# KiCad board poly_kb_molecule_8x5.kicad_pcb (continued)
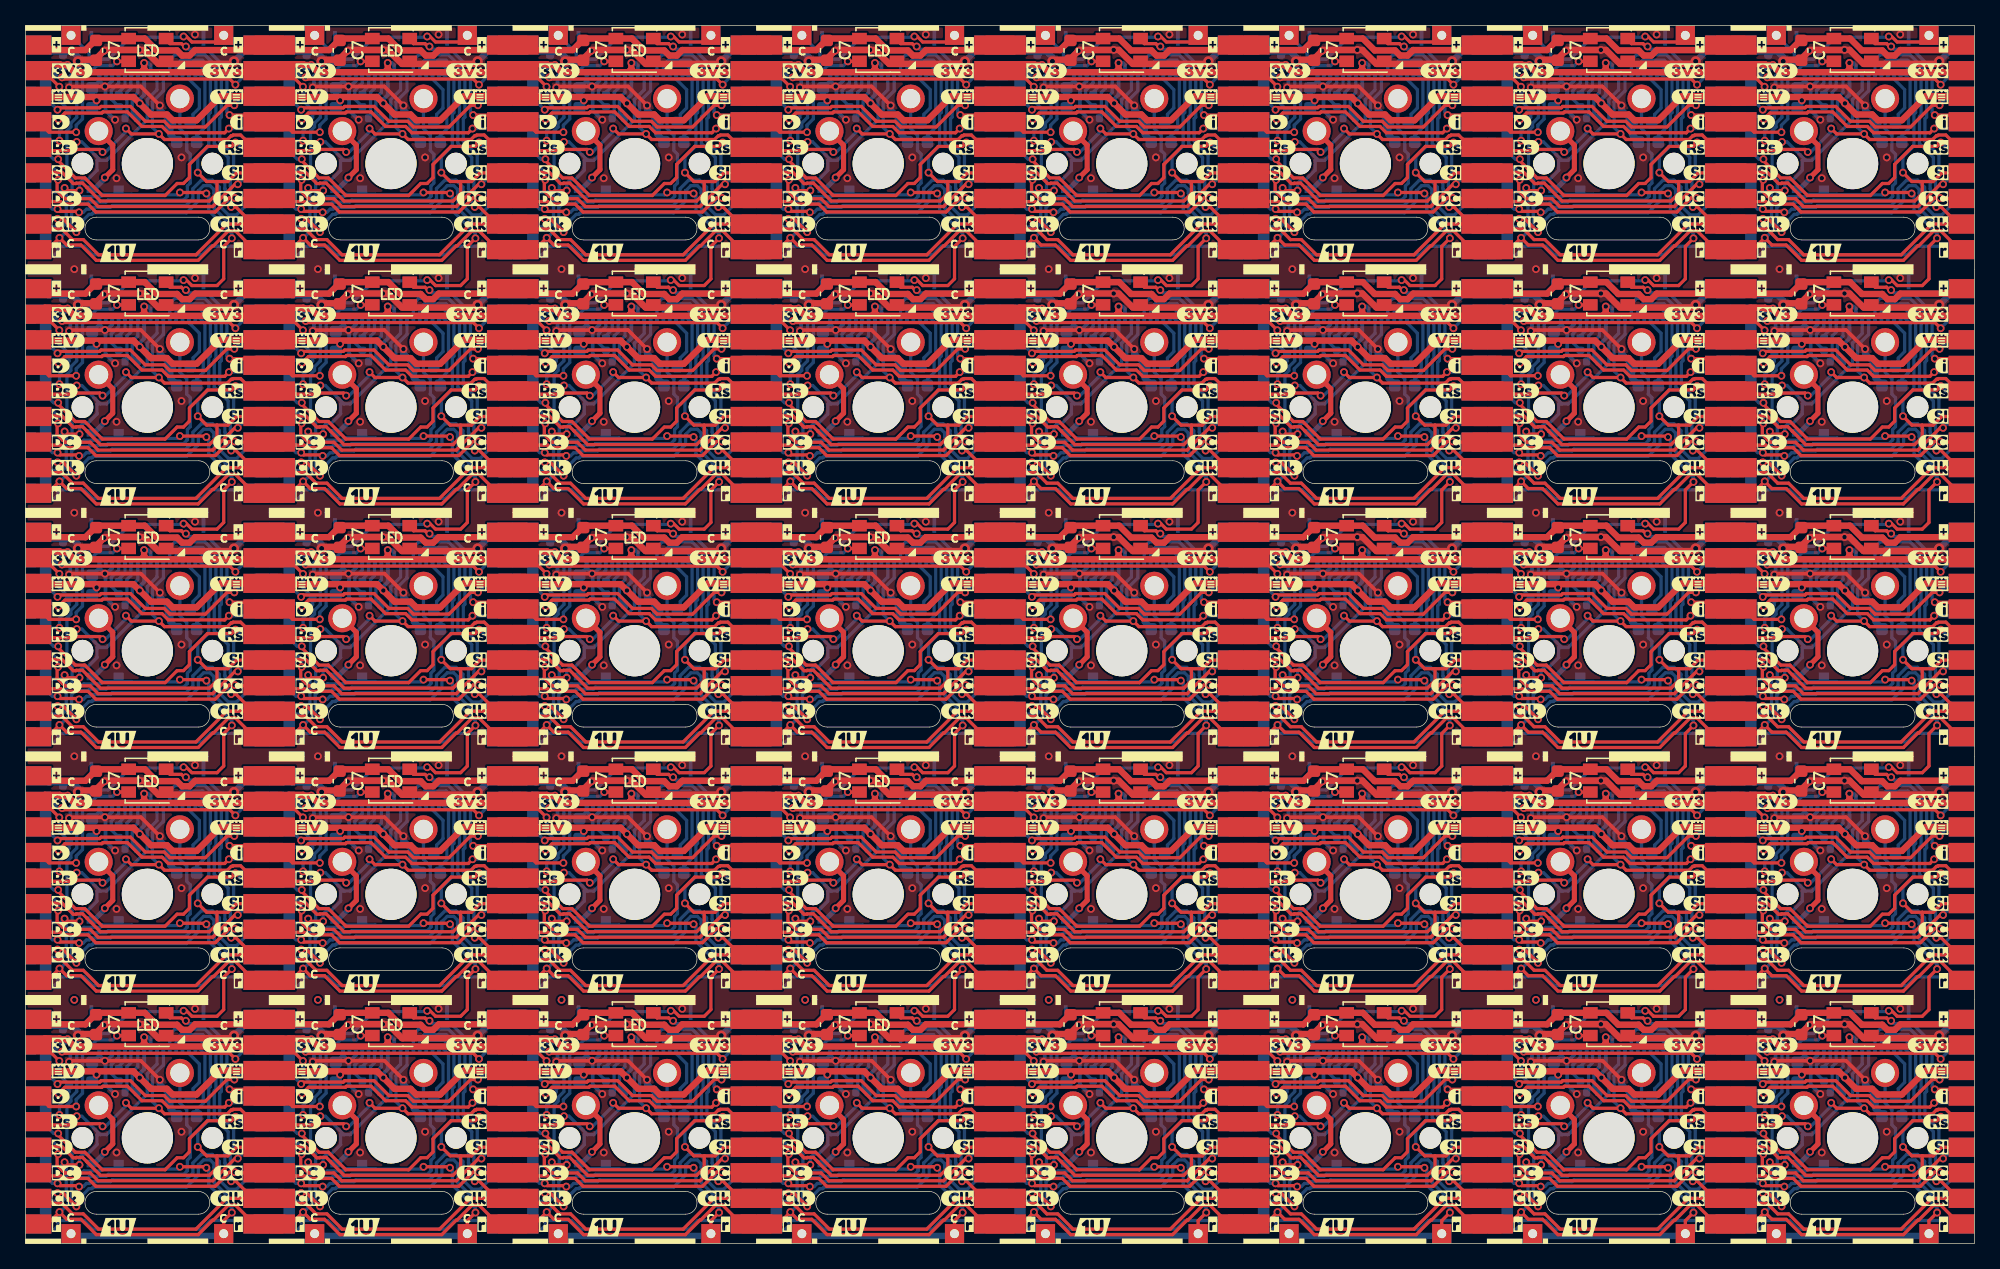
[diagram p0: board, top side]
## Routing (per net, layer and track width the routed paths; a pad name or vN(x,y) marks a point on that pad's centre or on a via; arc(x,y) is an arc through that point) (continued)
  Top w1.5: J4#30.9 J3#37.9 ; J4#36.9 J3#16.9 ; J4#9.9 J3#25.9 ; J4#29.9 J3#7.9 ; J4#24.9 J3#26.9 ; J4#3.9 J3#23.9 ; J4#26.9 J3#40.9 ; J4#2.9 J3#6.9 ; J4#16.9 J3#31.9 ; J4#8.9 J3#2.9 ; J4#14.9 J3#8.9 ; J4#25.9 J3#21.9 ; J4#10.9 J3#20.9 ; J4#19.9 J3#32.9 ; J4#12.9 J3#34.9 ; J4#4.9 J3#24.9 ; J4#11.9 J3#3.9 ; J4#5.9 J3#13.9 ; J4#37.9 J3#27.9 ; J4#34.9 J3#30.9 ; J4#13.9 J3#35.9 ; J4#21.9 J3#5.9 ; J4#17.9 J3#36.9 ; J4#23.9 J3#12.9 ; J4#33.9 J3#28.9 ; J4#40.9 J3#38.9 ; J4#28.9 J3#22.9 ; J4#22.9 J3#10.9 ; J4#27.9 J3#11.9 ; J4#35.9 J3#14.9 ; J4#15.9 J3#18.9 ; J4#18.9 J3#4.9 ; J4#6.9 J3#33.9 ; J4#38.9 J3#39.9 ; J4.9 J3#19.9
  Bottom w0.254: v1(116.95,21.5) 117,21.5 117.9,22.4 117.9,22.4 117.9,23.87 118.22,24.19 118.69,24.19 118.69,24.19 118.91,24.19 118.91,24.2 119.1,24.2 ; v1(59.8,21.5) 59.85,21.5 60.75,22.4 60.75,22.4 60.75,23.87 61.07,24.19 61.54,24.19 61.54,24.19 61.76,24.19 61.76,24.2 61.95,24.2 ; 138.15,43.25 138.15,43.25 ; 138.15,43.25 137.96,43.25 137.96,43.24 137.74,43.24 137.74,43.24 137.27,43.24 136.95,42.92 136.95,41.45 136.95,41.45 136.05,40.55 v1(136,40.55) ; 138.15,43.25 138.25,43.25 138.35,43.35 139.65,43.35 139.81,43.51 145.72,43.51 146,43.79 146,43.83 146,43.83 146,43.85 146,43.85 146,44.61 146.23,44.83 146.23,47.09 145.95,47.37 145.95,48.56 145.41,49.09 SW1#28.1 ; 100.05,5.15 100.15,5.15 100.25,5.25 101.55,5.25 101.71,5.41 107.62,5.41 107.9,5.69 107.9,5.73 107.9,5.73 107.9,5.75 107.9,5.75 107.9,6.51 108.13,6.73 108.13,8.99 107.85,9.27 107.85,10.46 107.31,10.99 SW1#3.1 ; 100.05,5.15 99.86,5.15 99.86,5.14 99.64,5.14 99.64,5.14 99.17,5.14 98.85,4.82 98.85,3.35 98.85,3.35 97.95,2.45 v1(97.9,2.45) ; 100.05,5.15 100.05,5.15 ; 4.8,24.2 4.9,24.2 5,24.3 6.3,24.3 6.46,24.46 12.37,24.46 12.65,24.74 12.65,24.78 12.65,24.78 12.65,24.8 12.65,24.8 12.65,25.56 12.88,25.78 12.88,28.04 12.6,28.32 12.6,29.51 12.06,30.04 SW1#15.1 ; 4.8,24.2 4.8,24.2 ; 4.8,24.2 4.61,24.2 4.61,24.19 4.39,24.19 4.39,24.19 3.92,24.19 3.6,23.87 3.6,22.4 3.6,22.4 2.7,21.5 v1(2.65,21.5) ; 4.8,5.15 4.8,5.15 ; 4.8,5.15 4.61,5.15 4.61,5.14 4.39,5.14 4.39,5.14 3.92,5.14 3.6,4.82 3.6,3.35 3.6,3.35 2.7,2.45 v1(2.65,2.45) ; 4.8,5.15 4.9,5.15 5,5.25 6.3,5.25 6.46,5.41 12.37,5.41 12.65,5.69 12.65,5.73 12.65,5.73 12.65,5.75 12.65,5.75 12.65,6.51 12.88,6.73 12.88,8.99 12.6,9.27 12.6,10.46 12.06,10.99 SW1#13.1 ; 100.05,24.2 99.86,24.2 99.86,24.19 99.64,24.19 99.64,24.19 99.17,24.19 98.85,23.87 98.85,22.4 98.85,22.4 97.95,21.5 v1(97.9,21.5) ; 100.05,24.2 100.15,24.2 100.25,24.3 101.55,24.3 101.71,24.46 107.62,24.46 107.9,24.74 107.9,24.78 107.9,24.78 107.9,24.8 107.9,24.8 107.9,25.56 108.13,25.78 108.13,28.04 107.85,28.32 107.85,29.51 107.31,30.04 SW1#4.1 ; 100.05,24.2 100.05,24.2 ; v1(21.7,21.5) 21.75,21.5 22.65,22.4 22.65,22.4 22.65,23.87 22.97,24.19 23.44,24.19 23.44,24.19 23.66,24.19 23.66,24.2 23.85,24.2 ; 119.1,24.2 119.1,24.2 ; 119.1,24.2 119.2,24.2 119.3,24.3 120.6,24.3 120.76,24.46 126.67,24.46 126.95,24.74 126.95,24.78 126.95,24.78 126.95,24.8 126.95,24.8 126.95,25.56 127.18,25.78 127.18,28.04 126.9,28.32 126.9,29.51 126.37,30.04 SW1#7.1 ; 23.85,81.35 23.66,81.35 23.66,81.34 23.44,81.34 23.44,81.34 22.97,81.34 22.65,81.02 22.65,79.55 22.65,79.55 21.75,78.65 v1(21.7,78.65) ; 23.85,81.35 23.95,81.35 24.05,81.45 25.35,81.45 25.51,81.61 31.42,81.61 31.7,81.89 31.7,81.93 31.7,81.93 31.7,81.95 31.7,81.95 31.7,82.71 31.93,82.93 31.93,85.19 31.65,85.47 31.65,86.66 31.11,87.19 SW1#21.1 ; 23.85,81.35 23.85,81.35 ; 100.05,81.35 99.86,81.35 99.86,81.34 99.64,81.34 99.64,81.34 99.17,81.34 98.85,81.02 98.85,79.55 98.85,79.55 97.95,78.65 v1(97.9,78.65) ; 100.05,81.35 100.05,81.35 ; 100.05,81.35 100.15,81.35 100.25,81.45 101.55,81.45 101.71,81.61 107.62,81.61 107.9,81.89 107.9,81.93 107.9,81.93 107.9,81.95 107.9,81.95 107.9,82.71 108.13,82.93 108.13,85.19 107.85,85.47 107.85,86.66 107.31,87.19 SW1#22.1 ; v1(78.85,2.45) 78.9,2.45 79.8,3.35 79.8,3.35 79.8,4.82 80.12,5.14 80.59,5.14 80.59,5.14 80.81,5.14 80.81,5.15 81,5.15 ; SW1#33.1 50.16,68.14 50.7,67.61 50.7,66.42 50.98,66.14 50.98,63.88 50.75,63.66 50.75,62.9 50.75,62.9 50.75,62.88 50.75,62.88 50.75,62.84 50.47,62.56 44.56,62.56 44.4,62.4 43.1,62.4 43,62.3 42.9,62.3 ; v1(116.95,78.65) 117,78.65 117.9,79.55 117.9,79.55 117.9,81.02 118.22,81.34 118.69,81.34 118.69,81.34 118.91,81.34 118.91,81.35 119.1,81.35 ; 138.15,81.35 137.96,81.35 137.96,81.34 137.74,81.34 137.74,81.34 137.27,81.34 136.95,81.02 136.95,79.55 136.95,79.55 136.05,78.65 v1(136,78.65) ; 138.15,81.35 138.15,81.35 ; 138.15,81.35 138.25,81.35 138.35,81.45 139.65,81.45 139.81,81.61 145.72,81.61 146,81.89 146,81.93 146,81.93 146,81.95 146,81.95 146,82.71 146.23,82.93 146.23,85.19 145.95,85.47 145.95,86.66 145.41,87.19 SW1#34.1 ; 138.15,5.15 137.96,5.15 137.96,5.14 137.74,5.14 137.74,5.14 137.27,5.14 136.95,4.82 136.95,3.35 136.95,3.35 136.05,2.45 v1(136,2.45) ; 138.15,5.15 138.25,5.15 138.35,5.25 139.65,5.25 139.81,5.41 145.72,5.41 146,5.69 146,5.73 146,5.73 146,5.75 146,5.75 146,6.51 146.23,6.73 146.23,8.99 145.95,9.27 145.95,10.46 145.41,10.99 SW1#32.1 ; 138.15,5.15 138.15,5.15 ; 100.05,43.25 99.86,43.25 99.86,43.24 99.64,43.24 99.64,43.24 99.17,43.24 98.85,42.92 98.85,41.45 98.85,41.45 97.95,40.55 v1(97.9,40.55) ; 100.05,43.25 100.15,43.25 100.25,43.35 101.55,43.35 101.71,43.51 107.62,43.51 107.9,43.79 107.9,43.83 107.9,43.83 107.9,43.85 107.9,43.85 107.9,44.61 108.13,44.83 108.13,47.09 107.85,47.37 107.85,48.56 107.31,49.09 SW1#12.1 ; 100.05,43.25 100.05,43.25 ; 61.95,43.25 61.95,43.25 ; 61.95,43.25 61.76,43.25 61.76,43.24 61.54,43.24 61.54,43.24 61.07,43.24 60.75,42.92 60.75,41.45 60.75,41.45 59.85,40.55 v1(59.8,40.55) ; 61.95,43.25 62.05,43.25 62.15,43.35 63.45,43.35 63.61,43.51 69.52,43.51 69.8,43.79 69.8,43.83 69.8,43.83 69.8,43.85 69.8,43.85 69.8,44.61 70.03,44.83 70.03,47.09 69.75,47.37 69.75,48.56 69.22,49.09 SW1#16.1 ; 81,5.15 81,5.15 ; 81,5.15 81.1,5.15 81.2,5.25 82.5,5.25 82.66,5.41 88.57,5.41 88.85,5.69 88.85,5.73 88.85,5.73 88.85,5.75 88.85,5.75 88.85,6.51 89.08,6.73 89.08,8.99 88.8,9.27 88.8,10.46 88.27,10.99 SW1#26.1 ; SW1.1 12.06,87.19 12.6,86.66 12.6,85.47 12.88,85.19 12.88,82.93 12.65,82.71 12.65,81.95 12.65,81.95 12.65,81.93 12.65,81.93 12.65,81.89 12.37,81.61 6.46,81.61 6.3,81.45 5,81.45 4.9,81.35 4.8,81.35 ; 42.9,62.3 42.71,62.3 42.71,62.29 42.49,62.29 42.49,62.29 42.02,62.29 41.7,61.97 41.7,60.5 41.7,60.5 40.8,59.6 v1(40.75,59.6) ; 42.9,62.3 42.9,62.3 ; SW1#39.1 50.16,87.19 50.7,86.66 50.7,85.47 50.98,85.19 50.98,82.93 50.75,82.71 50.75,81.95 50.75,81.95 50.75,81.93 50.75,81.93 50.75,81.89 50.47,81.61 44.56,81.61 44.4,81.45 43.1,81.45 43,81.35 42.9,81.35 ; 23.85,43.25 23.85,43.25 ; 23.85,43.25 23.95,43.25 24.05,43.35 25.35,43.35 25.51,43.51 31.42,43.51 31.7,43.79 31.7,43.83 31.7,43.83 31.7,43.85 31.7,43.85 31.7,44.61 31.93,44.83 31.93,47.09 31.65,47.37 31.65,48.56 31.11,49.09 SW1#37.1 ; 23.85,43.25 23.66,43.25 23.66,43.24 23.44,43.24 23.44,43.24 22.97,43.24 22.65,42.92 22.65,41.45 22.65,41.45 21.75,40.55 v1(21.7,40.55) ; 23.85,62.3 23.85,62.3 ; 23.85,62.3 23.66,62.3 23.66,62.29 23.44,62.29 23.44,62.29 22.97,62.29 22.65,61.97 22.65,60.5 22.65,60.5 21.75,59.6 v1(21.7,59.6) ; 23.85,62.3 23.95,62.3 24.05,62.4 25.35,62.4 25.51,62.56 31.42,62.56 31.7,62.84 31.7,62.88 31.7,62.88 31.7,62.9 31.7,62.9 31.7,63.66 31.93,63.88 31.93,66.14 31.65,66.42 31.65,67.61 31.11,68.14 SW1#18.1 ; 81,43.25 80.81,43.25 80.81,43.24 80.59,43.24 80.59,43.24 80.12,43.24 79.8,42.92 79.8,41.45 79.8,41.45 78.9,40.55 v1(78.85,40.55) ; 81,43.25 81,43.25 ; 81,43.25 81.1,43.25 81.2,43.35 82.5,43.35 82.66,43.51 88.57,43.51 88.85,43.79 88.85,43.83 88.85,43.83 88.85,43.85 88.85,43.85 88.85,44.61 89.08,44.83 89.08,47.09 88.8,47.37 88.8,48.56 88.27,49.09 SW1#2.1 ; 119.1,62.3 119.1,62.3 ; 119.1,62.3 118.91,62.3 118.91,62.29 118.69,62.29 118.69,62.29 118.22,62.29 117.9,61.97 117.9,60.5 117.9,60.5 117,59.6 v1(116.95,59.6) ; 119.1,62.3 119.2,62.3 119.3,62.4 120.6,62.4 120.76,62.56 126.67,62.56 126.95,62.84 126.95,62.88 126.95,62.88 126.95,62.9 126.95,62.9 126.95,63.66 127.18,63.88 127.18,66.14 126.9,66.42 126.9,67.61 126.37,68.14 SW1#23.1 ; 23.85,5.15 23.66,5.15 23.66,5.14 23.44,5.14 23.44,5.14 22.97,5.14 22.65,4.82 22.65,3.35 22.65,3.35 21.75,2.45 v1(21.7,2.45) ; 23.85,5.15 23.85,5.15 ; 23.85,5.15 23.95,5.15 24.05,5.25 25.35,5.25 25.51,5.41 31.42,5.41 31.7,5.69 31.7,5.73 31.7,5.73 31.7,5.75 31.7,5.75 31.7,6.51 31.93,6.73 31.93,8.99 31.65,9.27 31.65,10.46 31.11,10.99 SW1#36.1 ; SW1#8.1 50.16,30.04 50.7,29.51 50.7,28.32 50.98,28.04 50.98,25.78 50.75,25.56 50.75,24.8 50.75,24.8 50.75,24.78 50.75,24.78 50.75,24.74 50.47,24.46 44.56,24.46 44.4,24.3 43.1,24.3 43,24.2 42.9,24.2 ; SW1#27.1 145.41,30.04 145.95,29.51 145.95,28.32 146.23,28.04 146.23,25.78 146,25.56 146,24.8 146,24.8 146,24.78 146,24.78 146,24.74 145.72,24.46 139.81,24.46 139.65,24.3 138.35,24.3 138.25,24.2 138.15,24.2 ; v1(40.75,21.5) 40.8,21.5 41.7,22.4 41.7,22.4 41.7,23.87 42.02,24.19 42.49,24.19 42.49,24.19 42.71,24.19 42.71,24.2 42.9,24.2 ; 42.9,24.2 42.9,24.2 ; 61.95,81.35 61.76,81.35 61.76,81.34 61.54,81.34 61.54,81.34 61.07,81.34 60.75,81.02 60.75,79.55 60.75,79.55 59.85,78.65 v1(59.8,78.65) ; 61.95,81.35 62.05,81.35 62.15,81.45 63.45,81.45 63.61,81.61 69.52,81.61 69.8,81.89 69.8,81.93 69.8,81.93 69.8,81.95 69.8,81.95 69.8,82.71 70.03,82.93 70.03,85.19 69.75,85.47 69.75,86.66 69.22,87.19 SW1#19.1 ; 61.95,81.35 61.95,81.35 ; v1(40.75,78.65) 40.8,78.65 41.7,79.55 41.7,79.55 41.7,81.02 42.02,81.34 42.49,81.34 42.49,81.34 42.71,81.34 42.71,81.35 42.9,81.35 ; 61.95,62.3 61.95,62.3 ; 61.95,62.3 62.05,62.3 62.15,62.4 63.45,62.4 63.61,62.56 69.52,62.56 69.8,62.84 69.8,62.88 69.8,62.88 69.8,62.9 69.8,62.9 69.8,63.66 70.03,63.88 70.03,66.14 69.75,66.42 69.75,67.61 69.22,68.14 SW1#29.1 ; 61.95,62.3 61.76,62.3 61.76,62.29 61.54,62.29 61.54,62.29 61.07,62.29 60.75,61.97 60.75,60.5 60.75,60.5 59.85,59.6 v1(59.8,59.6) ; v1(59.8,2.45) 59.85,2.45 60.75,3.35 60.75,3.35 60.75,4.82 61.07,5.14 61.54,5.14 61.54,5.14 61.76,5.14 61.76,5.15 61.95,5.15 ; 100.05,62.3 100.05,62.3 ; 100.05,62.3 100.15,62.3 100.25,62.4 101.55,62.4 101.71,62.56 107.62,62.56 107.9,62.84 107.9,62.88 107.9,62.88 107.9,62.9 107.9,62.9 107.9,63.66 108.13,63.88 108.13,66.14 107.85,66.42 107.85,67.61 107.31,68.14 SW1#14.1 ; 100.05,62.3 99.86,62.3 99.86,62.29 99.64,62.29 99.64,62.29 99.17,62.29 98.85,61.97 98.85,60.5 98.85,60.5 97.95,59.6 v1(97.9,59.6) ; 119.1,81.35 119.2,81.35 119.3,81.45 120.6,81.45 120.76,81.61 126.67,81.61 126.95,81.89 126.95,81.93 126.95,81.93 126.95,81.95 126.95,81.95 126.95,82.71 127.18,82.93 127.18,85.19 126.9,85.47 126.9,86.66 126.37,87.19 SW1#10.1 ; 119.1,81.35 119.1,81.35 ; SW1#17.1 88.27,87.19 88.8,86.66 88.8,85.47 89.08,85.19 89.08,82.93 88.85,82.71 88.85,81.95 88.85,81.95 88.85,81.93 88.85,81.93 88.85,81.89 88.57,81.61 82.66,81.61 82.5,81.45 81.2,81.45 81.1,81.35 81,81.35 ; 138.15,62.3 137.96,62.3 137.96,62.29 137.74,62.29 137.74,62.29 137.27,62.29 136.95,61.97 136.95,60.5 136.95,60.5 136.05,59.6 v1(136,59.6) ; 138.15,62.3 138.25,62.3 138.35,62.4 139.65,62.4 139.81,62.56 145.72,62.56 146,62.84 146,62.88 146,62.88 146,62.9 146,62.9 146,63.66 146.23,63.88 146.23,66.14 145.95,66.42 145.95,67.61 145.41,68.14 SW1#35.1 ; 138.15,62.3 138.15,62.3 ; 119.1,43.25 119.1,43.25 ; 119.1,43.25 118.91,43.25 118.91,43.24 118.69,43.24 118.69,43.24 118.22,43.24 117.9,42.92 117.9,41.45 117.9,41.45 117,40.55 v1(116.95,40.55) ; 119.1,43.25 119.2,43.25 119.3,43.35 120.6,43.35 120.76,43.51 126.67,43.51 126.95,43.79 126.95,43.83 126.95,43.83 126.95,43.85 126.95,43.85 126.95,44.61 127.18,44.83 127.18,47.09 126.9,47.37 126.9,48.56 126.37,49.09 SW1#9.1 ; 61.95,5.15 61.95,5.15 ; 61.95,5.15 62.05,5.15 62.15,5.25 63.45,5.25 63.61,5.41 69.52,5.41 69.8,5.69 69.8,5.73 69.8,5.73 69.8,5.75 69.8,5.75 69.8,6.51 70.03,6.73 70.03,8.99 69.75,9.27 69.75,10.46 69.22,10.99 SW1#30.1 ; 23.85,24.2 23.95,24.2 24.05,24.3 25.35,24.3 25.51,24.46 31.42,24.46 31.7,24.74 31.7,24.78 31.7,24.78 31.7,24.8 31.7,24.8 31.7,25.56 31.93,25.78 31.93,28.04 31.65,28.32 31.65,29.51 31.11,30.04 SW1#11.1 ; 23.85,24.2 23.85,24.2 ; SW1#24.1 12.06,49.09 12.6,48.56 12.6,47.37 12.88,47.09 12.88,44.83 12.65,44.61 12.65,43.85 12.65,43.85 12.65,43.83 12.65,43.83 12.65,43.79 12.37,43.51 6.46,43.51 6.3,43.35 5,43.35 4.9,43.25 4.8,43.25 ; 42.9,43.25 42.9,43.25 ; 42.9,43.25 43,43.25 43.1,43.35 44.4,43.35 44.56,43.51 50.47,43.51 50.75,43.79 50.75,43.83 50.75,43.83 50.75,43.85 50.75,43.85 50.75,44.61 50.98,44.83 50.98,47.09 50.7,47.37 50.7,48.56 50.16,49.09 SW1#31.1 ; 42.9,43.25 42.71,43.25 42.71,43.24 42.49,43.24 42.49,43.24 42.02,43.24 41.7,42.92 41.7,41.45 41.7,41.45 40.8,40.55 v1(40.75,40.55) ; 138.15,24.2 138.15,24.2 ; 138.15,24.2 137.96,24.2 137.96,24.19 137.74,24.19 137.74,24.19 137.27,24.19 136.95,23.87 136.95,22.4 136.95,22.4 136.05,21.5 v1(136,21.5) ; 4.8,43.25 4.61,43.25 4.61,43.24 4.39,43.24 4.39,43.24 3.92,43.24 3.6,42.92 3.6,41.45 3.6,41.45 2.7,40.55 v1(2.65,40.55) ; 4.8,43.25 4.8,43.25 ; 81,81.35 81,81.35 ; 81,81.35 80.81,81.35 80.81,81.34 80.59,81.34 80.59,81.34 80.12,81.34 79.8,81.02 79.8,79.55 79.8,79.55 78.9,78.65 v1(78.85,78.65) ; 61.95,24.2 62.05,24.2 62.15,24.3 63.45,24.3 63.61,24.46 69.52,24.46 69.8,24.74 69.8,24.78 69.8,24.78 69.8,24.8 69.8,24.8 69.8,25.56 70.03,25.78 70.03,28.04 69.75,28.32 69.75,29.51 69.22,30.04 SW1#20.1 ; 61.95,24.2 61.95,24.2 ; 42.9,81.35 42.9,81.35 ; v1(40.75,2.45) 40.8,2.45 41.7,3.35 41.7,3.35 41.7,4.82 42.02,5.14 42.49,5.14 42.49,5.14 42.71,5.14 42.71,5.15 42.9,5.15 ; v1(2.65,78.65) 2.7,78.65 3.6,79.55 3.6,79.55 3.6,81.02 3.92,81.34 4.39,81.34 4.39,81.34 4.61,81.34 4.61,81.35 4.8,81.35 ; 81,24.2 81.1,24.2 81.2,24.3 82.5,24.3 82.66,24.46 88.57,24.46 88.85,24.74 88.85,24.78 88.85,24.78 88.85,24.8 88.85,24.8 88.85,25.56 89.08,25.78 89.08,28.04 88.8,28.32 88.8,29.51 88.27,30.04 SW1#38.1 ; 81,24.2 81,24.2 ; 81,24.2 80.81,24.2 80.81,24.19 80.59,24.19 80.59,24.19 80.12,24.19 79.8,23.87 79.8,22.4 79.8,22.4 78.9,21.5 v1(78.85,21.5) ; 4.8,62.3 4.61,62.3 4.61,62.29 4.39,62.29 4.39,62.29 3.92,62.29 3.6,61.97 3.6,60.5 3.6,60.5 2.7,59.6 v1(2.65,59.6) ; 4.8,62.3 4.8,62.3 ; 4.8,62.3 4.9,62.3 5,62.4 6.3,62.4 6.46,62.56 12.37,62.56 12.65,62.84 12.65,62.88 12.65,62.88 12.65,62.9 12.65,62.9 12.65,63.66 12.88,63.88 12.88,66.14 12.6,66.42 12.6,67.61 12.06,68.14 SW1#6.1 ; 42.9,5.15 43,5.15 43.1,5.25 44.4,5.25 44.56,5.41 50.47,5.41 50.75,5.69 50.75,5.73 50.75,5.73 50.75,5.75 50.75,5.75 50.75,6.51 50.98,6.73 50.98,8.99 50.7,9.27 50.7,10.46 50.16,10.99 SW1#40.1 ; 42.9,5.15 42.9,5.15 ; SW1#25.1 88.27,68.14 88.8,67.61 88.8,66.42 89.08,66.14 89.08,63.88 88.85,63.66 88.85,62.9 88.85,62.9 88.85,62.88 88.85,62.88 88.85,62.84 88.57,62.56 82.66,62.56 82.5,62.4 81.2,62.4 81.1,62.3 81,62.3 ; 4.8,81.35 4.8,81.35 ; v1(78.85,59.6) 78.9,59.6 79.8,60.5 79.8,60.5 79.8,61.97 80.12,62.29 80.59,62.29 80.59,62.29 80.81,62.29 80.81,62.3 81,62.3 ; v1(116.95,2.45) 117,2.45 117.9,3.35 117.9,3.35 117.9,4.82 118.22,5.14 118.69,5.14 118.69,5.14 118.91,5.14 118.91,5.15 119.1,5.15 ; 81,62.3 81,62.3 ; 119.1,5.15 119.1,5.15 ; 119.1,5.15 119.2,5.15 119.3,5.25 120.6,5.25 120.76,5.41 126.67,5.41 126.95,5.69 126.95,5.73 126.95,5.73 126.95,5.75 126.95,5.75 126.95,6.51 127.18,6.73 127.18,8.99 126.9,9.27 126.9,10.46 126.37,10.99 SW1#5.1
